# Altium PCB (Poly)TC364_MainBoard_PCB.PcbDoc
Units mm, origin at the board's own origin, x right, y up, seen from the top; angles counter-clockwise.
Board outline 98 x 65 mm, 2 copper layers (Top Layer, Bottom Layer); 67 components, 70 nets, 319 pads, 24 vias.
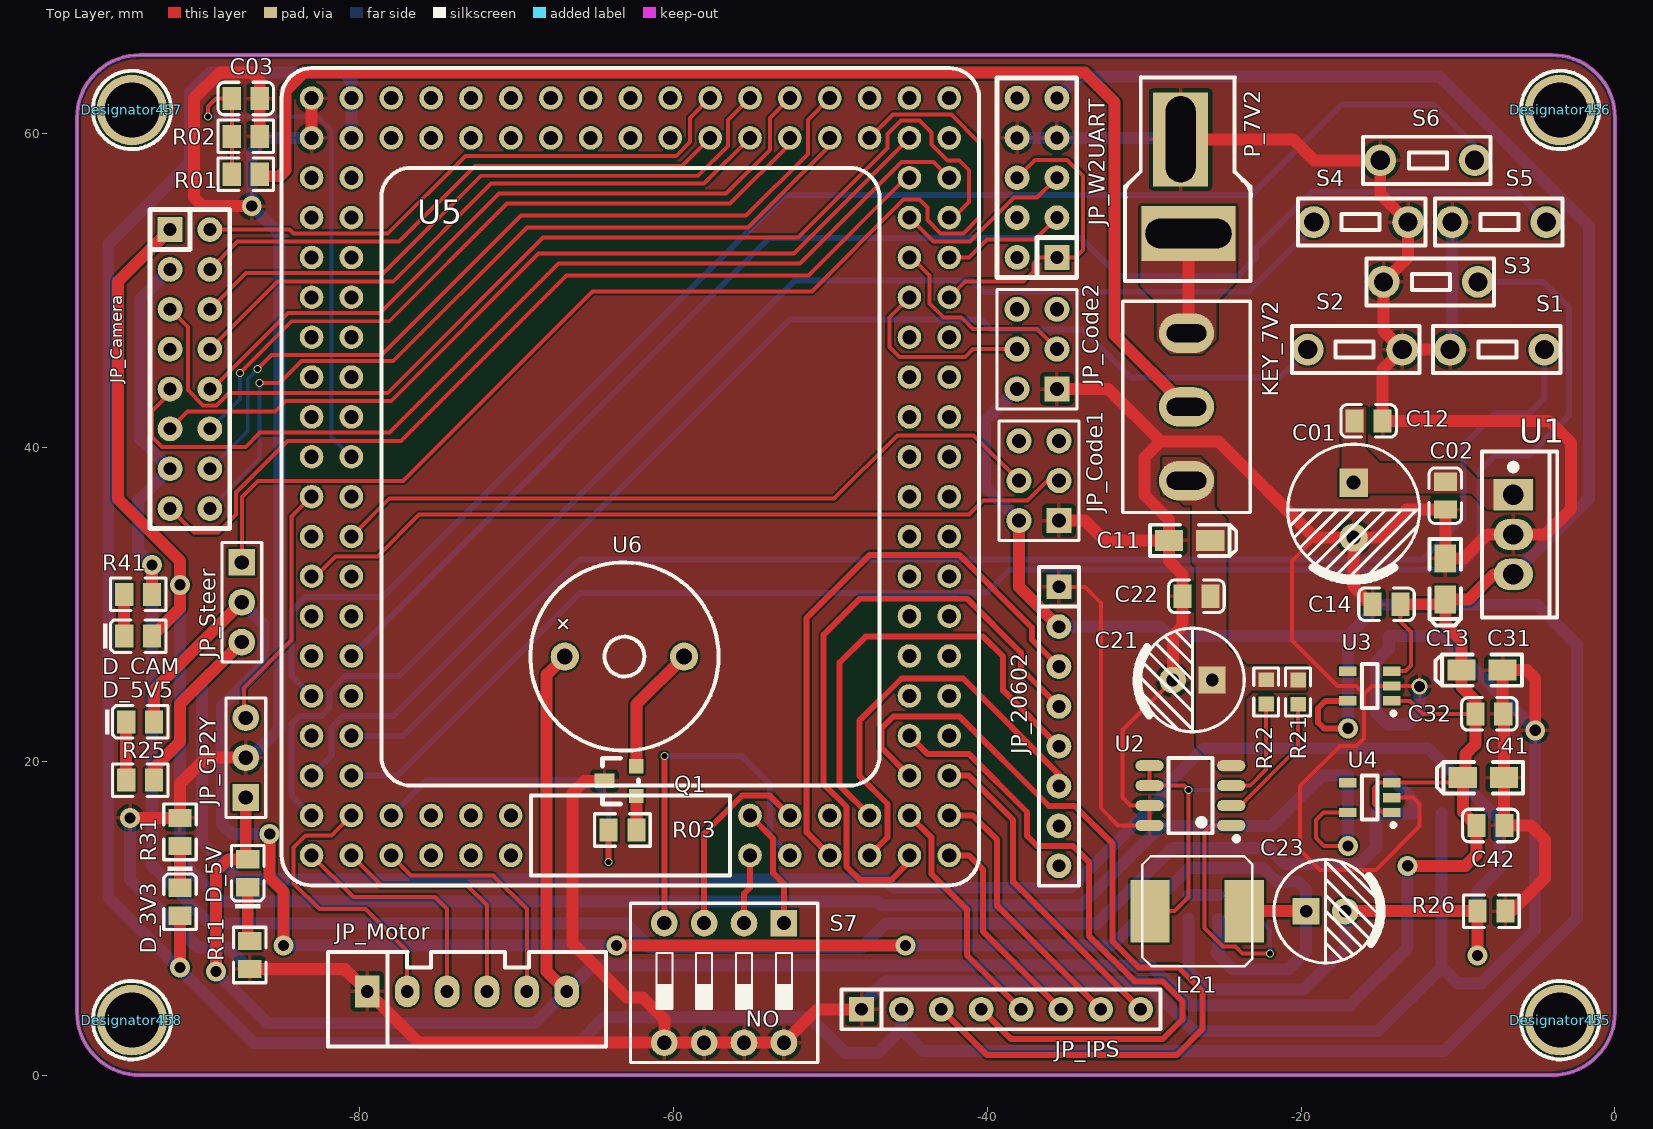
[diagram p0: Top Layer view]
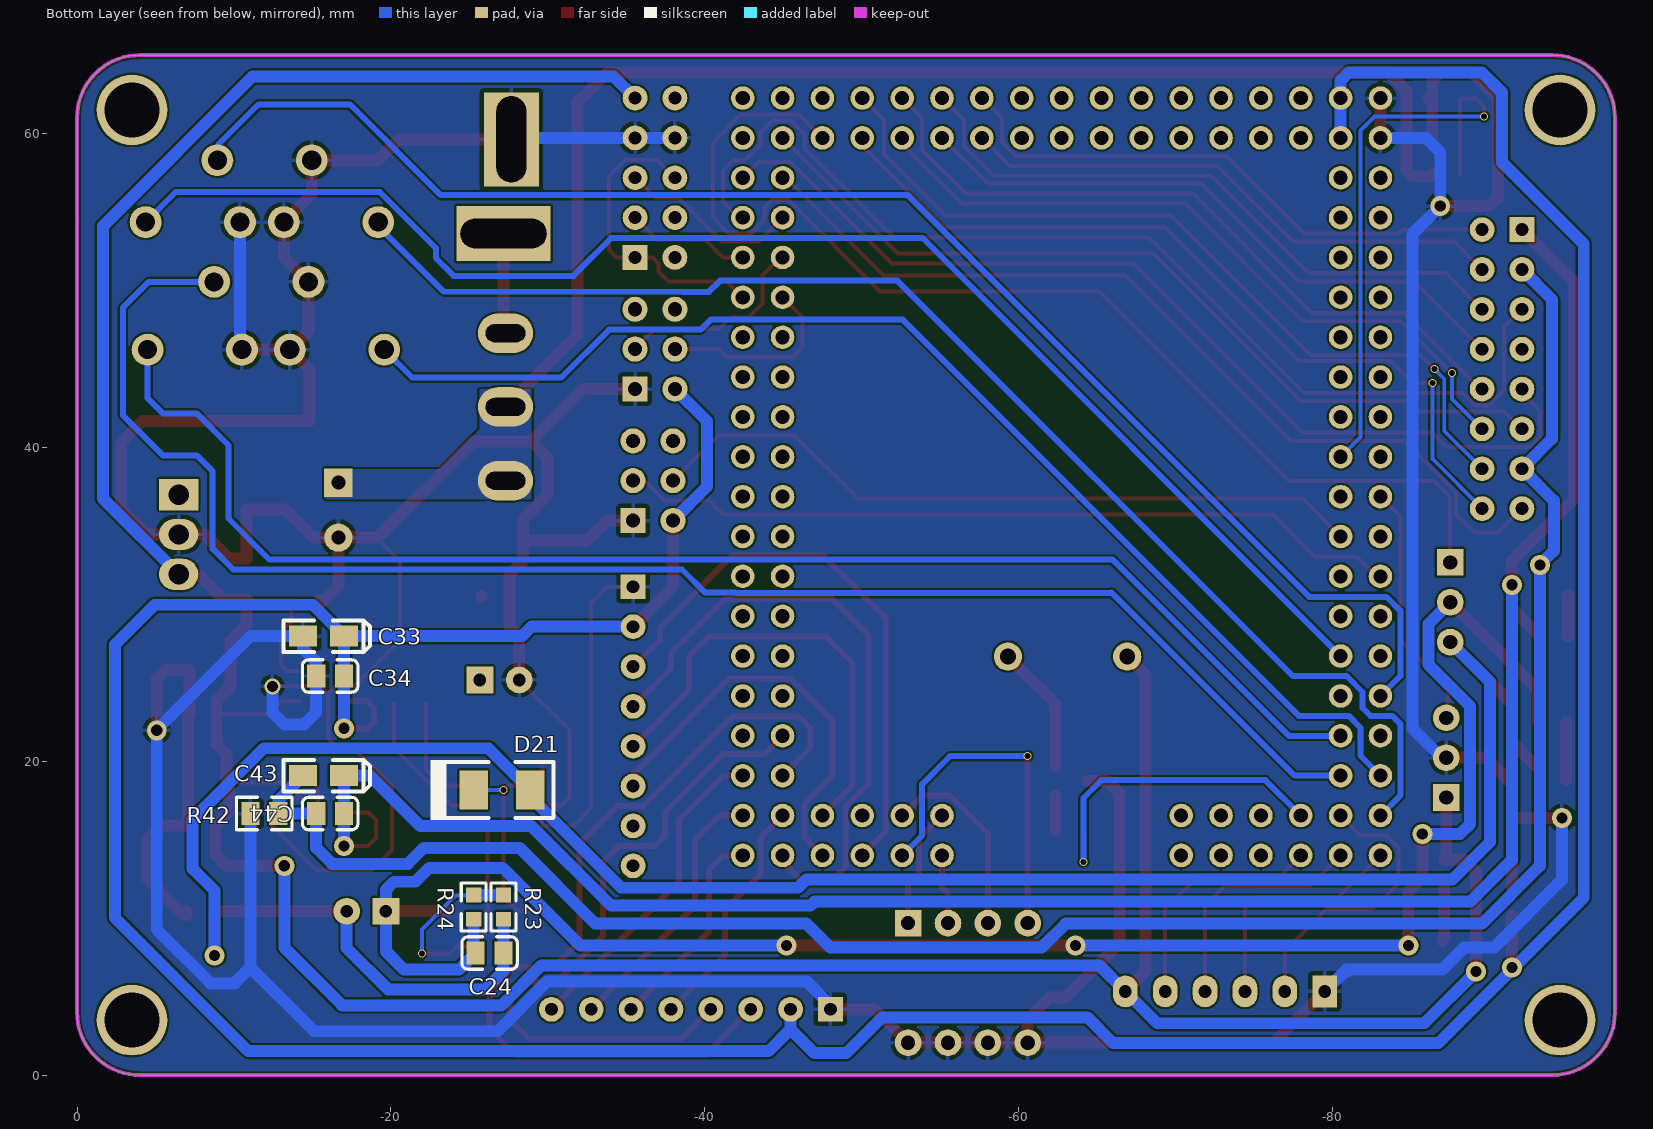
[diagram p1: Bottom Layer view, seen from below]

## Layer stack, top to bottom
Top Solder: solder mask 0.0102, Solder Resist, Dk 3.5
Top Layer: signal copper 0.0356
Dielectric 1: dielectric 0.32, FR-4, Dk 4.8
Bottom Layer: signal copper 0.0356
Bottom Solder: solder mask 0.0102, Solder Resist, Dk 3.5

## Board outline
-98,4 ccw(c-94,4) -94,0 -4,0 ccw(c-4,4) 0,4 0,61 ccw(c-4,61) -4,65 -94,65 ccw(c-94,61) -98,61

## Design rules (kind name [scope] priority, off if disabled: settings)
Clearance [All] p1: gap=0.127 ignorepadtopadclearanceinfootprint=FALSE
HoleSize [All] p1: absolutevalues=TRUE maxlimit=7.62 minlimit=0.025 maxpercent=80.000 minpercent=20.000
MinimumSolderMaskSliver [All] p1: minsoldermaskwidth=0.127
PolygonConnect [All] p1: connectstyle=Relief reliefconductorwidth=0.254 reliefentries=4 polygonreliefangle="90 Angle" airgapwidth=0.254
RoutingVias [All] p1: holewidth=0.711 width=1.27 viastyle="Through Hole" minholewidth=0.711 minwidth=1.27 maxholewidth=0.711 maxwidth=1.27
SilkToSilkClearance [All] p1 off: silktosilkclearance=0.254
SilkToSolderMaskClearance [IsPad] p1 off: minsilkscreentomaskgap=0.254 clearancetoexposedcopper=TRUE
SolderMaskExpansion [All] p1: expansion=0.102
Width [All] p1: maxlimit=0.762 minlimit=0.254 preferedwidth=0.254
26 further rules are at their usual default settings.

## Classes and differential pairs
component class TC364_MainBoard_Power_V1.1: C01 C02 C11 C12 C13 C14 C21 C22 C23 C24 C31 C32 C33 C34 C41 C42 C43 C44 D_3V3 D_5V D_5V5 D_CAM KEY_7V2 L21 P_7V2 R11 R21 R22 R23 R24 R25 R26 R31 R41 R42 U1 U2 U3 U4
component class TC364_MainBoard_Singal_V1.1: C03 JP_20602 JP_Camera JP_Code1 JP_Code2 JP_GP2Y JP_IPS JP_Motor JP_Steer JP_W2UART Q1 R01 R02 R03 S2 S3 S4 S5 S6 S7 U6

## Components (designator, comment, footprint, x,y, rotation, side; value= is the part's Value field where it differs from the comment)
C01 "680uF/16V" "CAP 3.5*8*11.5 - GD" -12.951,23.102 r90 top
C02 "0.1uF" 0805_C -10.682,36.861 r270 top
C03 "0.1uF" 0805_C -87.184,62.357 r0 top
C11 "10uF/16V" CASE-A_3216 -27.105,34.067 r0 top
C12 "0.1uF" 0805_C -15.635,41.814 r0 top
C13 "10uF/16V" CASE-A_3216 -10.809,31.614 r270 top
C14 "0.1uF" 0805_C -14.619,29.876 r180 top
C21 "330uF/16V" "CAP 2.5*6.3*11.2 - BK" -26.924,25.177 r180 top
C22 "0.1uF" 0805_C -26.735,30.384 r180 top
C23 "330uF/16V" "CAP 2.5*6.3*11.2 - BK" -18.435,10.445 r0 top
C24 "0.1uF" 0805_C -26.354,7.905 r180 bottom
C31 "10uF/16V" CASE-A_3216 -8.469,25.812 r180 top
C32 "0.1uF" 0805_C -7.938,23.145 r0 top
C33 "10uF/16V" CASE-A_3216 -15.708,27.971 r180 bottom
C34 "0.1uF" 0805_C -16.064,25.304 r0 bottom
C41 "10uF/16V" CASE-A_3216 -8.382,18.954 r180 top
C42 "0.1uF" 0805_C -7.874,16.033 r0 top
C43 "10uF/16V" CASE-A_3216 -15.708,19.081 r180 bottom
C44 "0.1uF" 0805_C -16.064,16.541 r0 bottom
D21 "SS54" SMA -28.873,18.161 r0 bottom
D_3V3 "LED" 0805_LED_S1 -91.44,11.048 r270 top
D_5V "LED" 0805_LED_S1 -87.122,12.859 r90 top
D_5V5 "LED" 0805_LED_S1 -93.98,22.51 r0 top
D_CAM "LED" 0805_LED_S1 -94.108,27.971 r0 top
Designator455 "Comment" HOLE-3.5 -3.5,3.5 r0 top
Designator456 "Comment" HOLE-3.5 -3.5,61.5 r0 top
Designator457 "Comment" HOLE-3.5 -94.5,61.5 r0 top
Designator458 "Comment" HOLE-3.5 -94.5,3.5 r0 top
JP_20602 "HDR-1X7" SIP8 -35.433,31.115 r270 top
JP_Camera "HEADER 8X2" "IDC16-JLC - duplicate" -92.075,53.879 r270 top
JP_Code1 "Header3X2" HDR2.54-LI-2x3P -36.703,37.877 r90 top
JP_Code2 "Header3X2" HDR2.54-LI-2x3P -36.83,46.259 r90 top
JP_GP2Y "HDR-1X3" HDR2.54-LI-3P -87.249,20.224 r90 top
JP_IPS "HDR-1X7" SIP8 -48.006,4.191 r0 top
JP_Motor "HDR-1X6" SIP6N -79.502,5.334 r0 top
JP_Steer "HDR-1X3" HDR2.54-LI-3P -87.503,30.13 r270 top
JP_W2UART "HEADER 5X2" IDC10-JLC -35.56,52.101 r90 top
KEY_7V2 "SS-12F23" KEY_7V2 -27.305,42.576 r270 top
L21 "33uH" "7*7 L" -29.622,10.445 r0 top
P_7V2 "T_Type_Adapter" T_Type_Adapter -27.627,58.38 r270 top
Q1 "PNP8550" PNP8550-SO -62.357,17.78 r90 top
R01 "200K" 0805_R#1 -89.279,59.438 r180 top
R02 "100K" 0805_R#1 -85.217,57.783 r0 top
R03 "1K" 0805_R#2 -63.246,15.621 r0 top
R11 "4.7K" 0805_R#1 -84.961,9.683 r90 top
R21 "1K" 0603_R -20.193,24.407 r90 top
R22 "2.7K" 0603_R -22.225,24.415 r90 top
R23 "3.9K" 0603_R -27.178,10.707 r270 bottom
R24 "22K" 0603_R -25.273,10.707 r90 bottom
R25 "4.7K" 0805_R#1 -96.01,20.83 r180 top
R26 "0" 0805_R#1 -9.904,12.479 r180 top
R31 "4.7K" 0805_R#1 -93.474,13.462 r270 top
R41 "4.7K" 0805_R#1 -96.139,32.672 r180 top
R42 "0" 0805_R#1 -13.968,14.634 r180 bottom
S1 "SW-PB" KEY2-6X3 -4.494,46.228 r180 top
S2 "SW-PB" KEY2-6X3 -19.574,46.228 r0 top
S3 "SW-PB" KEY2-6X3 -8.732,50.546 r180 top
S4 "SW-PB" KEY2-6X3 -19.193,54.356 r0 top
S5 "SW-PB" KEY2-6X3 -4.367,54.356 r180 top
S6 "SW-PB" KEY2-6X3 -8.939,58.293 r180 top
S7 "SW-4P" "CSW DIP-4P" -56.769,5.873 r180 top
U1 "SPX2940-5.0V" TO-220(TO-220-3) -6.477,34.448 r270 top
U2 "AS1015" SOP-8_150mil -27.051,17.811 r90 top
U3 "RT9013-3.3" SOT-23-5 -15.621,24.796 r0 top
U4 "RT9013-3.3" SOT-23-5 -15.621,17.684 r0 top
U5 "TC364_CoreBoard" TC364_CoreBoard -83.058,62.261 r0 top
U6 "BEEP" BUZ -63.119,26.67 r0 top

## Footprints (in the part's own frame and the unit in brackets; to place one, negate y for a bottom-side part, rotate by r counter-clockwise, add the part's x,y. Pads: shape width x height; smd on the part's side, far side on the other; paste and mask are expansions set on the pad)
"7*7 L" [mm]
  rect 2.5x4 smd: 1(0,0) 2(6,0)
  silkscreen extent -0.5,-3.5 6.5,3.5
0603_R [mm]
  rect 0.93x0.98 smd: 1(-0.77,0) 2(0.77,0)
  silkscreen extent -1.53,-0.79 1.54,0.79, body extent -0.85,-0.4 0.85,0.4, height 0.56
0805_C [mm]
  rect 1.16x1.47 smd: 1(-0.954,-0.127) 2(0.826,-0.127)
  silkscreen extent -1.83,-1.16 1.71,0.91, body extent -1.06,-0.75 0.94,0.5, height 0.77
0805_LED_S1 [mm]
  rect 1.16x1.47 smd: A(0.89,0) K(-0.89,0)
  silkscreen extent -2.25,-1.04 1.77,1.03, body extent -1.01,-0.62 1.01,0.62, height 1.1
0805_R#1 [mm]
  rect 1.16x1.47 smd: 1(-1.141,2.034) 2(-2.921,2.034)
  silkscreen extent -3.8,1 -0.26,3.07, body extent -3.03,1.41 -1.03,2.66, height 0.49
0805_R#2 [mm]
  rect 1.16x1.47 smd: 1(-0.89,0) 2(0.89,0)
  silkscreen extent -1.77,-1.04 1.77,1.03, body extent -1,-0.62 1,0.63, height 0.49
BUZ [mm]
  round 1.8 hole 1: 1(-3.8,0) 2(3.8,0)
  silkscreen extent -6,-6 6,6
"CAP 2.5*6.3*11.2 - BK" [mm] "脚距2.5mm直径6.3mm高度11.2mm             淘宝ID:黄晶宝石"
  rect 1.7x1.7 hole 0.8: 1(-1.25,0)
  round 1.7 hole 0.8: 2(1.25,0)
  silkscreen extent -3.3,-3.3 3.56,3.3, body extent -3.15,-3.15 3.16,3.15, height 11.24
"CAP 3.5*8*11.5 - GD" [mm]
  rect 1.8x1.8 hole 0.9: 1(14.648,3.7)
  round 1.8 hole 0.9: 2(11.148,3.7)
  silkscreen extent 8.4,-0.5 17.09,7.9, body extent 8.89,-0.3 16.9,7.7, height 11.54
CASE-A_3216 [mm]
  rect 1.8x1.35 smd: 1(1.31,0) 2(-1.31,0)
  silkscreen extent -2.54,-1 2.97,1, body extent -1.7,-0.84 1.7,0.84, height 1.71
"CSW DIP-4P" [mm] "11.7*9.9*7mm"
  rect 1.7x1.7 hole 0.9: 1(-3.81,-3.81)
  round 1.7 hole 0.9: 2(-1.27,-3.81) 3(1.27,-3.81) 4(3.81,-3.81) 5(3.81,3.81) 6(1.27,3.81) 7(-1.27,3.81) 8(-3.81,3.81)
  silkscreen extent -5.97,-5.08 5.97,5.08, body extent -5.86,-4.95 5.86,4.95, height 6.65
HDR2.54-LI-2x3P [mm] "封装库来自淘宝卖家 ID：黄晶宝石"
  rect 1.6x1.6 hole 0.9: 1(-2.54,-1.27)
  round 1.6 hole 0.9: 2(-2.54,1.27) 3(0,-1.27) 4(0,1.27) 5(2.54,-1.27) 6(2.54,1.27)
  silkscreen extent -3.81,-2.54 3.81,2.54, body extent -3.81,-2.54 3.81,2.54, height 8.5
HDR2.54-LI-3P [mm] "排针，3脚"
  rect 1.7x1.7 hole 0.9: 1(-2.54,0)
  round 1.7 hole 0.9: 2(0,0) 3(2.54,0)
  silkscreen extent -3.81,-1.27 3.81,1.27, body extent -3.81,-1.27 3.81,1.27, height 8.5
HOLE-3.5 [mm]
  round 4.5 hole 3.5: 0(0,0)
  silkscreen extent -2.5,-2.5 2.5,2.5
IDC10-JLC [mil]
  rect 62x62 hole 32: 1(0,0)
  round 62 hole 32: 2(0,100) 3(100,0) 4(100,100) 5(200,0) 6(200,100) 7(300,0) 8(300,100) 9(400,0) 10(400,100)
  silkscreen extent -50,-50 450,150, body extent -53,-45 447,155, height 315
"IDC16-JLC - duplicate" [mil]
  rect 62x62 hole 32: 1(0,0)
  round 62 hole 32: 2(0,100) 3(100,0) 4(100,100) 5(200,0) 6(200,100) 7(300,0) 8(300,100) 9(400,0) 10(400,100) 11(500,0) 12(500,100) 13(600,0) 14(600,100) 15(700,0) 16(700,100)
  silkscreen extent -50,-50 750,150, body extent -50,-51 750,149, height 142
KEY2-6X3 [mil]
  round 80 hole 48: 1(0,0) 2(236.85,0)
  silkscreen extent -40,-59 280,59, body extent -37,-68 271,70, height 170
KEY_7V2 [mil]
  oval 99x138 hole 45 slot 100 at 90 deg: 1(-185.04,0) 2(0,0) 3(185.04,0)
  silkscreen extent -265,-160 265,160
PNP8550-SO [mil]
  rect 36x36 smd: 1(0,0) 2(75,0)
  rect 36x50 smd: 3(38,80)
  silkscreen extent -20,-5 95,85, body extent -21,-8 97,90, height 42
SIP6N [mil]
  rect 62x80 hole 32: 1(0,0)
  oval 62x80 hole 32: 2(100,0) 3(200,0) 4(300,0) 5(400,0) 6(500,0)
  silkscreen extent -98,-138 598,98, body extent -99,-129 597,95, height 277
SIP8 [mil]
  rect 62x62 hole 32: 1(0,0)
  round 62 hole 32: 2(100,0) 3(200,0) 4(300,0) 5(400,0) 6(500,0) 7(600,0) 8(700,0)
  silkscreen extent -50,-50 750,50, body extent -50,-50 750,50, height 335
SMA [mm]
  rect 1.8x2.5 smd: 1(0,0) 2(3.6,0)
  silkscreen extent -1.47,-1.9 6.35,1.91
SOP-8_150mil [mm]
  oval 0.7x1.8 smd: 1(-1.905,-2.6) 2(-0.635,-2.6) 3(0.635,-2.6) 4(1.905,-2.6) 5(1.905,2.6) 6(0.635,2.6) 7(-0.635,2.6) 8(-1.905,2.6)
  silkscreen extent -2.9,-3.08 2.4,1.4, body extent -2.5,-3.1 2.5,3.1, height 1.75
SOT-23-5 [mm]
  rect 1.1x0.6 smd: 1(1.4,-0.95) 2(1.4,0) 3(1.4,0.95) 4(-1.4,0.95) 5(-1.4,-0.95)
  silkscreen extent -0.5,-1.87 1.63,1.4
T_Type_Adapter [mm]
  rect 6x3.5 hole 1.905 slot 5.49 at 0 deg: 1(-1.245,-0.051)
  rect 3.5x6 hole 1.905 slot 5.49 at 90 deg: 2(4.755,0.449)
  silkscreen extent -5.21,-3.61 7.77,4.42
TC364_CoreBoard [mm] "逐飞科技TC364核心板"
  round 1.5 hole 0.9: 1(0,0) 2(2.54,0) 3(0,-2.54) 4(2.54,-2.54) 5(0,-5.08) 6(2.54,-5.08) 7(0,-7.62) 8(2.54,-7.62) 9(0,-10.16) 10(2.54,-10.16) 11(0,-12.7) 12(2.54,-12.7) 13(0,-15.24) 14(2.54,-15.24) 15(0,-17.78) 16(2.54,-17.78) 17(0,-20.32) 18(2.54,-20.32) 19(0,-22.86) 20(2.54,-22.86) 21(0,-25.4) 22(2.54,-25.4) 23(0,-27.94) 24(2.54,-27.94) 25(0,-30.48) 26(2.54,-30.48) 27(0,-33.02) 28(2.54,-33.02) 29(0,-35.56) 30(2.54,-35.56) 31(0,-38.1) 32(2.54,-38.1) 33(0,-40.64) 34(2.54,-40.64) 35(0,-43.18) 36(2.54,-43.18) 37(0,-45.72) 38(2.54,-45.72) 39(0,-48.26) 40(2.54,-48.26) 41(5.08,-48.26) 42(5.08,-45.72) 43(7.62,-48.26) 44(7.62,-45.72) 45(10.16,-48.26) 46(10.16,-45.72) 47(12.7,-48.26) 48(12.7,-45.72) 49(27.94,-45.72) 50(27.94,-48.26) 51(30.48,-45.72) 52(30.48,-48.26) 53(33.02,-45.72) 54(33.02,-48.26) 55(35.56,-45.72) 56(35.56,-48.26) 57(38.1,-48.26) 58(40.64,-48.26) 59(38.1,-45.72) 60(40.64,-45.72) 61(38.1,-43.18) 62(40.64,-43.18) 63(38.1,-40.64) 64(40.64,-40.64) 65(38.1,-38.1) 66(40.64,-38.1) 67(38.1,-35.56) 68(40.64,-35.56) 69(38.1,-33.02) 70(40.64,-33.02) 71(38.1,-30.48) 72(40.64,-30.48) 73(38.1,-27.94) 74(40.64,-27.94) 75(38.1,-25.4) 76(40.64,-25.4) 77(38.1,-22.86) 78(40.64,-22.86) 79(38.1,-20.32) 80(40.64,-20.32) 81(38.1,-17.78) 82(40.64,-17.78) 83(38.1,-15.24) 84(40.64,-15.24) 85(38.1,-12.7) 86(40.64,-12.7) 87(38.1,-10.16) 88(40.64,-10.16) 89(38.1,-7.62) 90(40.64,-7.62) 91(38.1,-5.08) 92(40.64,-5.08) 93(38.1,-2.54) 94(40.64,-2.54) 95(38.1,0) 96(40.64,0) 97(35.56,-2.54) 98(35.56,0) 99(33.02,-2.54) 100(33.02,0) 101(30.48,-2.54) 102(30.48,0) 103(27.94,-2.54) 104(27.94,0) 105(25.4,-2.54) 106(25.4,0) 107(22.86,-2.54) 108(22.86,0) 109(20.32,-2.54) 110(20.32,0) 111(17.78,-2.54) 112(17.78,0) 113(15.24,-2.54) 114(15.24,0) 115(12.7,-2.54) 116(12.7,0) 117(10.16,-2.54) 118(10.16,0) 119(7.62,-2.54) 120(7.62,0) 121(5.08,-2.54) 122(5.08,0)
  silkscreen extent -1.91,-50.17 42.55,1.91
TO-220(TO-220-3) [mm]
  rect 2x2.5 hole 1.3: 1(-2.54,0)
  oval 2x2.5 hole 1.3: 2(0,0) 3(2.54,0)
  silkscreen extent -5.3,-2 5.3,2.8, body extent -5.08,-1.45 5.08,2.9, height 19.6

## Part data
C01 C11 C13 C21 C23 C31 C33 C41 C43: library part "Cap Pol1", "Polarized Capacitor (Radial)", LatestRevisionDate=17-Jul-2002, LatestRevisionNote="Re-released for DXP Platform.", PackageDescription="Polarized Capacitor (Radial); 2 Leads", PackageReference=RB7.6-15, Published=8-Jun-2000, Publisher="Altium Limited"
C02 C03 C12 C14 C22 C24 C32 C34 C42 C44: library part CAP, "Capacitor"
D21: library part SS34, "肖特基二极管", BOM名称=肖特基二极管, 封装库来自淘宝 ID：黄晶宝石=https://shop463601444.taobao.com, 属性=40V/3A
D_3V3 D_5V D_5V5 D_CAM: "发光二极管"
JP_20602 JP_IPS: library part "HEADER 8", "8 Pin Header"
JP_Code1 JP_Code2: library part "Header 3X2", "3*2P接插件", BOM名称=3*2P接插件, 学习资源=https://shop463601444.taobao.com, 版权归属="封装库来自淘宝 ID：黄晶宝石"
JP_GP2Y JP_Steer: library part "Header 3", "3P接插件", BOM名称=3P接插件, 学习资源=https://shop463601444.taobao.com, 版权归属="封装库来自淘宝 ID：黄晶宝石"
JP_Motor: library part "HEADER 6"
KEY_7V2: library part SSW-1P, "1路波动开关", BOM名称=波动开关, 学习资源=www.ooocke.com, 版权归属="封装库来自淘宝 ID：黄晶宝石"
L21: library part L-CDRH, "功率屏蔽电感", BOM名称=功率屏蔽电感, 版权归属="封装库来自淘宝 ID：黄晶宝石", 联系售后=https://shop463601444.taobao.com
Q1: library part PNP, "PNP Transistor"
R01 R02 R03 R11 R25 R26 R31 R41 R42: library part RES
R21 R22 R23 R24: library part RES, "贴片电阻", BOM名称=贴片电阻, 学习资源=www.ooocke.com, 版权归属=源创客
S1 S2 S3 S4 S5 S6: "按键"
S7: "4路编码开关", BOM名称=4路编码开关, 学习资源=https://shop463601444.taobao.com, 淘宝ID="封装库来自淘宝 ID：黄晶宝石"
U1: library part LM2940, "5V稳压芯片", BOM名称=5V稳压芯片, 版权归属="封装库来自淘宝 ID：黄晶宝石", 联系售后=www.ooocke.com
U2: "可调升压芯片"
U5: library part TC264_CoreBoard, "逐飞科技TC264核心板"
U6: library part BELL, "Bell"

## Via types
v1: diameter 1.27, hole 0.711, Top Layer to Bottom Layer, 15 vias
v2: diameter 0.508, hole 0.381, Top Layer to Bottom Layer, 8 vias
v3: diameter 1.016, hole 0.711, Top Layer to Bottom Layer, 1 vias

## Nets (pads, with @x,y where several pads share a name; then routed paths per layer and width w, separated by ;. In a path a pad name is that pad's centre, name@x,y a point inside that pad or via, vN(x,y) a via of type N, cw(c..) or ccw(c..) an arc to the next point about the centre after c; other vN are vias at no path point)
00.0: JP_Camera.16 U5.99 | length 52.2
  Top Layer w0.254: -86.106,44.1 -85.09,44.1 -83.693,45.497 -77.851,45.497 -69.342,54.006 -55.245,54.006 -50.038,59.213 U5.99
  Bottom Layer w0.254: JP_Camera.16 -86.36,39.274 v2(-86.36,44.1)
00.1: JP_Camera.14 U5.100 | length 52.5
  Top Layer w0.254: v2(-86.487,44.989) -85.598,45.878 -78.613,45.878 -69.723,54.768 -55.372,54.768 -51.435,58.705 -51.435,60.864 U5.100
  Bottom Layer w0.254: JP_Camera.14 -87.122,41.052 -87.122,44.354 v2(-86.487,44.989)
00.2: JP_Camera.12 U5.101 | length 45.8
  Top Layer w0.254: v2(-87.63,44.735) -84.328,48.037 -78.105,48.037 -70.612,55.53 -56.388,55.53 -52.578,59.34 U5.101
  Bottom Layer w0.254: JP_Camera.12 -87.63,43.084 v2(-87.63,44.735)
00.3: JP_Camera.10 U5.102 | length 45.8
  Top Layer w0.254: JP_Camera.10 -89.408,43.719 -84.57,48.557 -78.752,48.557 -78.74,48.545 -71.12,56.165 -56.642,56.165 -53.848,58.959 -53.848,60.991 U5.102
00.4: JP_Camera.8 U5.103 | length 40
  Top Layer w0.254: JP_Camera.8 -85.217,50.577 -77.851,50.577 -71.628,56.8 -58.039,56.8 U5.103
00.5: JP_Camera.6 U5.104 | length 41
  Top Layer w0.254: JP_Camera.6 -87.237,51.097 -78.474,51.097 -72.263,57.308 -58.42,57.308 -56.515,59.213 -56.515,60.864 U5.104
00.6: JP_Camera.4 U5.105 | length 35.3
  Top Layer w0.254: JP_Camera.4 -87.769,53.105 -77.482,53.105 -72.644,57.943 -59.436,57.943 U5.105
00.7: JP_Camera.2 U5.106 | length 36.5
  Top Layer w0.254: JP_Camera.2 -84.455,53.879 -84.201,53.625 -78.201,53.625 -73.248,58.578 -59.817,58.578 -58.928,59.467 -58.928,60.991 U5.106
02.0: JP_Camera.5 U5.90 | length 69.3
  Top Layer w0.254: JP_Camera.5 -90.932,47.656 -90.932,43.643 -89.966,42.677 -89.104,42.677 -88.316,43.465 -78.201,43.465 -68.295,53.371 -52.07,53.371 -46.355,59.086 -46.355,59.975 -45.497,60.833 -44.323,60.833 -43.561,60.071 -43.561,59.309 -42.545,58.293 -41.783,58.293 -41.148,57.658 -41.148,55.626 -42.133,54.641 U5.90
02.1: JP_Camera.15 U5.91 | length 57.9
  Top Layer w0.254: JP_Camera.15 -90.551,34.575 -89.027,34.575 -87.884,35.718 -87.884,37.115 -84.582,40.417 -77.343,40.417 -66.802,50.958 -51.404,50.958 -45.181,57.181 U5.91
02.2: JP_Camera.9 U5.92 | length 62.5
  Top Layer w0.254: JP_Camera.9 -92.075,43.465 -93.218,42.322 -93.218,40.671 -92.583,40.036 -87.249,40.036 -86.36,40.925 -86.36,40.937 -78.093,40.937 -67.31,51.72 -51.943,51.72 -45.466,58.197 -43.434,58.197 U5.92
02.3: JP_Camera.11 U5.93 | length 54.8
  Top Layer w0.254: JP_Camera.11 -90.957,42.296 -85.369,42.296 -84.709,42.957 -77.978,42.957 -68.58,52.355 -52.324,52.355 U5.93
02.7: JP_Steer.1 U5.97 | length 73.9
  Top Layer w0.254: JP_Steer.1 -87.503,36.837 -86.475,37.865 -77.216,37.865 -65.139,49.942 -51.181,49.942 -45.339,55.784 -44.323,55.784 -43.815,55.276 -43.815,54.483 -42.969,53.637 -41.517,53.637 -40.513,54.641 -40.513,59.436 -42.291,61.214 -46.005,61.214 U5.97
10.1: JP_Code2.4 U5.85 | length 12.3
  Top Layer w0.254: U5.85 -46.228,48.291 -46.228,46.386 -45.593,45.751 -41.402,45.751 -40.894,46.259 JP_Code2.4
10.2: JP_W2UART.1 JP_W2UART.6 U5.86 | length 19.9
  Top Layer w0.254: U5.86 -41.402,50.577 -37.688,50.577 -37.059,51.206 -37.059,51.72 -36.678,52.101 JP_W2UART.1 -34.386,52.101 -33.909,52.578 -33.909,57.308 -34.925,58.324 -36.957,58.324 JP_W2UART.6
10.3: JP_Code2.3 U5.87 | length 12.9
  Top Layer w0.254: U5.87 -44.831,52.101 -43.688,50.958 -43.688,49.18 -42.799,48.291 -41.656,48.291 -40.894,47.529 -36.83,47.529 JP_Code2.3
10.5: JP_W2UART.3 U5.88 | length 7.9
  Top Layer w0.254: U5.88 -41.148,52.101 -40.005,53.244 -36.957,53.244 JP_W2UART.3
10.6: JP_W2UART.5 U5.89 | length 11.7
  Top Layer w0.254: U5.89 -43.434,53.117 -41.097,53.117 -38.303,55.911 -36.83,55.911 JP_W2UART.5
14.0: U5.67
14.1: U5.68
15.0: JP_IPS.6 U5.58 | length 13.5
  Top Layer w0.381: U5.58 -41.179,14.001 -40.259,13.081 -40.259,9.144 JP_IPS.6
15.1: JP_IPS.5 U5.59 | length 15.3
  Top Layer w0.381: U5.59 -43.561,15.144 -43.561,12.827 -41.275,10.541 -41.275,7.62 JP_IPS.5
15.2: JP_IPS.7 U5.60 | length 17.8
  Top Layer w0.381: U5.60@-42.006,16.129 U5.60 -40.925,16.541 -39.37,14.986 -39.37,10.795 JP_IPS.7
15.3: JP_IPS.3 U5.61 | length 56.4
  Top Layer w0.381: U5.61 -46.736,20.859 -46.736,22.098 -45.974,22.86 -41.783,22.86 -36.068,17.145 -34.417,17.145 -32.004,14.732 -32.004,8.509 -30.353,6.858 -27.813,6.858 -26.289,5.334 -26.289,2.921 -27.94,1.27 -40.005,1.27 JP_IPS.3
15.4: JP_IPS.8 U5.62 | length 20.7
  Top Layer w0.381: U5.62 -41.179,19.081 -38.354,16.256 -38.354,12.319 JP_IPS.8
15.5: JP_IPS.4 U5.63 | length 43.3
  Top Layer w0.381: U5.63 -43.784,20.447 -41.148,20.447 -37.465,16.764 -37.465,15.24 -36.83,14.605 -34.544,14.605 -33.528,13.589 -33.528,8.89 -30.607,5.969 -28.829,5.969 -27.559,4.699 -27.559,3.556 -28.829,2.286 -38.481,2.286 JP_IPS.4
15.8: U5.66
20.6: S7.1 U5.49 | length 7.8
  Top Layer w0.381: U5.49 -53.646,15.068 -53.646,12.879 -52.959,12.192 S7.1
20.7: S7.2 U5.50 | length 4.5
  Top Layer w0.381: S7.2 -55.499,11.557 -55.118,11.938 U5.50
20.8: S7.3 U5.51 | length 12.7
  Top Layer w0.381: S7.3 -58.039,15.398 -55.626,17.811 -53.848,17.811 U5.51
20.9: S7.4 U5.52 | length 23.2
  Top Layer w0.381: S7.4 v2(-60.579,20.32)
  Bottom Layer w0.381: v2(-60.579,20.32) -55.626,20.32 -53.848,18.542 -53.848,15.271 U5.52
20.11: JP_20602.3 U5.54 | length 36.9
  Top Layer w0.381: U5.54 -51.51,15.473 -51.51,29.135 -47.498,33.147 -41.783,33.147 -37.148,28.511 -37.148,27.749 JP_20602.3
20.12: JP_20602.5 U5.55 | length 29.3
  Top Layer w0.381: U5.55 -49.403,18.446 -49.403,26.289 -47.752,27.94 -40.259,27.94 -38.989,26.67 -38.989,24.511 JP_20602.5
20.13: JP_20602.6 U5.56 | length 26.9
  Top Layer w0.381: U5.56 -46.355,15.144 -46.355,17.272 -48.133,19.05 -48.133,22.606 -45.466,25.273 -41.529,25.273 -35.433,19.177 JP_20602.6
20.14: JP_20602.4 U5.57 | length 40
  Top Layer w0.381: U5.57 -44.958,13.589 -46.101,12.446 -48.133,12.446 -48.97,13.283 -48.97,17.093 -50.419,18.542 -50.419,28.067 -48.133,30.353 -41.275,30.353 -37.846,26.924 -37.846,25.908 JP_20602.4
21.2: JP_Motor.2 U5.38 | length 18.4
  Top Layer w0.254: U5.38 -81.788,15.271 -83.439,15.271 -84.201,14.509 -84.201,12.223 -82.55,10.572 -79.629,10.572 -76.962,7.905 JP_Motor.2
21.3: JP_Motor.3 U5.39 | length 15.3
  Top Layer w0.254: U5.39 -80.391,11.334 -75.184,11.334 -74.422,10.572 JP_Motor.3
21.4: JP_Motor.4 U5.40 | length 15.4
  Top Layer w0.254: U5.40 -78.613,12.096 -73.152,12.096 -71.882,10.826 JP_Motor.4
21.5: JP_Motor.5 U5.41 | length 15.3
  Top Layer w0.254: U5.41 -76.708,12.731 -71.501,12.731 -69.342,10.572 JP_Motor.5
21.6: R03.1 U5.42 | length 21.3
  Top Layer w0.381: R03.1 R03.1 v2(-64.135,13.589)
  Bottom Layer w0.381: U5.42 -75.723,18.796 -65.278,18.796 -64.135,17.653 v2(-64.135,13.589)
22.0: S1.1 U5.34 | length 90.8
  Bottom Layer w0.381: U5.34 -77.216,21.621 -65.988,32.848 -12.267,32.848 -9.652,35.464 -9.652,40.132 -7.62,42.164 -5.461,42.164 -4.494,43.131 S1.1
22.1: S2.1 U5.35 | length 78.9
  Bottom Layer w0.381: U5.35 -81.788,20.351 -81.788,22.129 -81.026,22.891 -77.851,22.891 -52.609,48.133 -40.386,48.133 -39.751,47.498 -33.909,47.498 -30.861,44.45 -21.352,44.45 S2.1 S2.1@-19.603,46.228
22.2: S3.1 U5.36 | length 103.4
  Bottom Layer w0.381: U5.36 -77.597,19.081 -65.913,30.765 -65.861,30.713 -41.976,30.713 -41.924,30.765 -40.005,30.765 -38.55,32.22 -9.944,32.22 -8.636,33.528 -8.636,38.481 -7.62,39.497 -5.461,39.497 -2.921,42.037 -2.921,48.895 -4.572,50.546 S3.1
22.3: S4.1 U5.37 | length 86.1
  Bottom Layer w0.381: U5.37 -84.328,17.811 -84.328,22.383 -83.82,22.891 -82.423,22.891 -81.915,23.399 -81.915,24.415 -80.899,25.431 -77.47,25.431 -52.272,50.628 -40.976,50.628 -40.259,49.911 -38.568,49.911 -38.563,49.916 -23.363,49.916 -19.193,54.086 S4.1 S4.1@-19.248,54.356
33.6: JP_Code1.4 U5.24 | length 46.4
  Top Layer w0.254: U5.24 -78.105,36.734 -49.753,36.734 -45.72,40.767 -40.863,40.767 JP_Code1.4
33.7: JP_Code1.3 U5.25 | length 50.2
  Top Layer w0.254: U5.25 -82.804,31.781 -81.534,33.051 -78.867,33.051 -76.2,35.718 -41.148,35.718 -40.259,36.607 -37.434,36.607 -36.164,37.877 JP_Code1.3
33.12: S5.1 U5.30 | length 91.6
  Bottom Layer w0.381: U5.30 -53.879,53.34 -34.036,53.34 -31.623,50.927 -24.003,50.927 -22.86,52.07 -22.86,52.705 -19.304,56.261 -6.272,56.261 S5.1
33.13: S6.1 U5.31 | length 96.7
  Bottom Layer w0.381: U5.31 -84.328,25.431 -84.328,29.591 -83.439,30.48 -78.517,30.48 -52.911,56.086 -52.901,56.076 -23.172,56.076 -17.399,61.849 -11.557,61.849 -9.017,59.309 -9.017,58.371 S6.1
A0: JP_GP2Y.3 U5.21 | length 15.9
  Top Layer w0.254: JP_GP2Y.3 -87.376,22.891 -87.376,24.669 -84.328,27.717 -84.328,35.591 U5.21
A1: C03.1 R01.1 R02.2 U5.20 | length 36.8
  Top Layer w0.254: v2(-89.662,61.087) -89.662,61.722 -89.154,62.23 C03.1 R02.2 R01.1
  Bottom Layer w0.254: v2(-89.662,61.087) -82.677,61.087 -81.788,60.198 -81.788,40.671 U5.20
GND: C01.2 C02.2 C03.2 C11.2 C12.2 C13.2 C14.2 C21.2 C22.2 C31.2 C32.2 C33.2 C34.2 C41.2 C42.2 JP_20602.1 JP_Code1.1 JP_Code2.1 JP_GP2Y.2 JP_IPS.1 JP_Motor.1 JP_W2UART.7 JP_W2UART.8 P_7V2.1 Q1.3 R02.1 R11.2 R26.2 R31.2 R42.2 S1.2 S2.2 S3.2 S4.2 S5.2 S6.2 S7.5 S7.6 S7.7 S7.8 U1.2 U2.7 U2.8 U3.2 U4.2 U5.1 U5.3 | length 495.6
  Top Layer w0.254: JP_20602.1 -33.782,31.115 -32.766,30.099 -32.766,17.018 -31.654,15.906 U2.8 U2.7 -30.861,17.176 -31.369,17.684 -31.369,21.982 C21.2 ; -19.05,34.29 -20.574,32.766 -20.574,27.686 -17.684,24.796 -16.51,24.796 -16.002,24.288 ; U4.2 -12.858,17.684 -12.446,17.272 -12.446,15.875 -15.24,13.081 -18.796,13.081 -20.066,14.351 -20.066,18.415 -17.526,20.955 -16.51,20.955 -16.002,21.463 -16.002,24.288 ; v3@-12.223,24.796 U3.2 -15.494,24.796 -16.002,24.288
  Top Layer w0.762: v1(-94.615,16.383) R31.2 -91.44,18.573 -89.789,20.224 JP_GP2Y.2 ; R11.2 -80.93,6.762 JP_Motor.1 -76.231,2.063 S7.5 ; v1(-86.868,55.372) -89.978,55.372 -90.551,55.945 -90.551,62.23 -88.9,63.881 -86.868,63.881 -86.358,63.371 C03.2 C03.2@-86.358,62.007 ; R02.1 C03.2@-86.358,62.007 ; C03.2@-86.104,62.261 C03.2@-86.358,62.007 ; U5.3 U5.1 ; Q1.3 -65.659,18.745 -66.421,17.983 -66.421,8.382 -62.992,4.953 -61.976,4.953 -60.579,3.556 S7.5 ; JP_IPS.1 -50.831,4.191 S7.8 S7.7 S7.6 S7.5 ; JP_Code2.1 -32.289,43.719 -28.956,40.386 ; JP_Code1.1 -33.782,35.337 -32.512,34.067 C11.2 ; C21.2 -28.174,27.991 -27.561,28.604 C22.2 -27.561,31.91 -28.415,32.764 C11.2 ; P_7V2.1 -20.509,59.625 -19.177,58.293 S6.2 -14.955,56.134 S4.2 -13.177,52.117 S3.2 -14.748,47.418 S2.2 ; C14.2 -15.445,30.256 -15.778,30.256 -16.651,31.129 C01.2 ; S1.2 S2.2 ; C42.2@-7.072,15.93 C41.2 -7.072,22.978 C32.2 -7.159,23.065 C31.2 -5.619,25.812 -5.08,25.273 v1(-5.08,21.971) ; C42.2 -5.365,15.906 -4.445,14.986 -4.445,12.573 -6.827,10.191 -6.983,10.191 R26.2 ; -28.956,40.386 -29.972,39.37 -29.972,36.957 -28.415,35.4 C11.2 ; -28.956,40.386 -25.273,40.386 -19.177,34.29 -19.05,34.29 -19.01,34.25 C01.2 ; C01.2 -15.057,34.25 -13.272,36.034 C02.2 C13.2 -9.652,32.924 -8.128,34.448 U1.2 -4.445,34.448 -2.794,36.099 -2.794,40.29 -4.191,41.687 C12.2 -14.809,44.978 S2.2
  Bottom Layer w0.762: v1(-94.615,16.383) -94.615,12.446 -90.297,8.128 -88.392,8.128 -86.995,6.731 -81.026,6.731 -80.899,6.604 -80.899,6.731 JP_Motor.1 ; JP_GP2Y.2 -86.964,20.224 -85.09,22.098 -85.09,53.594 v1(-86.868,55.372) -86.868,58.801 -85.948,59.721 U5.3 ; JP_IPS.1 -48.006,4.445 -46.482,5.969 -29.972,5.969 -26.797,2.794 -15.111,2.794 -11.047,6.858 ; JP_W2UART.8 JP_W2UART.7 -27.774,59.721 P_7V2.1 ; v3(-12.446,24.765) -12.446,23.114 -13.208,22.352 -14.478,22.352 -15.238,23.112 C34.2 -15.238,26.322 -14.398,27.162 C33.2 -11.049,27.971 -5.08,22.002 v1(-5.08,21.971) -5.08,9.271 -8.509,5.842 -10.031,5.842 -11.047,6.858 ; R42.2 -11.047,6.858 ; S1.2 -10.383,46.355 S5.2
GNDCAM: C43.2 C44.2 JP_Camera.3 JP_Camera.13 R41.2 R42.1 | length 133.9
  Top Layer w0.762: R41.2 v1(-93.218,32.512)
  Bottom Layer w0.762: JP_Camera.3 -93.98,49.434 -93.98,40.544 JP_Camera.13 -94.107,36.607 -94.107,33.401 v1(-93.218,32.512) -93.218,13.335 -89.535,9.652 -62.992,9.652 -61.468,8.128 -48.006,8.128 -46.482,9.652 -33.02,9.652 -28.194,14.478 -22.098,14.478 -21.082,13.462 -16.256,13.462 -15.238,14.48 C44.2 R42.1 -12.827,17.51 C43.2
GNDSteer: C23.2 C24.2 D21.1 JP_Steer.3 R23.2 R25.2 R26.1 | length 151
  Top Layer w0.762: -93.089,19.589 -91.44,21.238 -91.44,23.653 JP_Steer.3 ; C23.2 R26.1 v1(-8.763,7.62)
  Bottom Layer w0.762: JP_Steer.3 -90.043,25.05 -90.043,14.859 -87.661,12.477 -46.482,12.477 -45.943,11.938 -34.671,11.938 -28.873,17.736 D21.1 -26.206,20.828 -11.907,20.828 -7.366,16.287 -7.366,13.146 -8.763,11.749 v1(-8.763,7.62) ; R23.2 -27.18,9.935 C24.2 -27.18,6.637 -26.004,5.461 -19.812,5.461 -17.185,8.088 C23.2@-17.185,9.977
NetD21_2: D21.2 L21.1 U2.5 U2.6 | length 15.4
  Top Layer w0.254: U2.5 U2.6 -27.463,18.446 v2(-27.178,18.161) -27.178,11.334 -28.067,10.445 L21.1
  Bottom Layer w0.254: v2(-27.178,18.161) D21.2
NetD_3V3_K: D_3V3.K R31.1 | length 2.5
  Top Layer w0.762: D_3V3.K R31.1@-91.44,14.476
NetD_5V5_K: D_5V5.K R25.1 | length 3.7
  Top Layer w0.762: D_5V5.K R25.1 R25.1
NetD_5V_K: D_5V.K R11.1 | length 3.5
  Top Layer w0.762: D_5V.K -87.122,8.669 R11.1
NetD_CAM_K: D_CAM.K R41.1 | length 2.7
  Top Layer w0.762: D_CAM.K R41.1
NetKEY_7V2_1: KEY_7V2.1 P_7V2.2 | length 6.4
  Top Layer w0.762: KEY_7V2.1 -27.178,47.403 P_7V2.2
NetQ1_1: Q1.1 R03.2 | length 2.2
  Top Layer w0.762: R03.2 Q1.1
NetQ1_2: Q1.2 U6.2 | length 8.2
  Top Layer w0.762: Q1.2 -62.357,23.632 U6.2
NetR21_1: R21.1 U2.2 | length 8.6
  Top Layer w0.254: U2.2 -23.876,17.176 -20.193,20.859 R21.1
NetR22_1: R22.1 U2.3 | length 6.8
  Top Layer w0.254: U2.3 -23.241,18.446 -22.225,19.462 R22.1
NetR23_1: R23.1 R24.2 U2.1 | length 20.8
  Top Layer w0.254: U2.1 -25.75,15.906 -26.162,15.494 -26.162,9.376 -24.977,8.191 -24.193,8.191 -23.749,7.747 v2(-21.971,7.747)
  Bottom Layer w0.254: R24.2 -25.273,11.684 -25.019,11.43 -24.13,11.43 -21.971,9.271 v2(-21.971,7.747)
  Bottom Layer w0.762: R23.1 R24.2
VCC3V3: C33.1 C34.1 D_3V3.A JP_20602.2 JP_Code1.2 JP_Code2.2 JP_IPS.2 U3.5 U5.2 U5.4 | length 258
  Top Layer w0.381: U3.5 -18.445,23.846 -18.923,23.368 -18.923,22.479 -18.542,22.098 v1(-17.018,22.098)
  Top Layer w0.762: v1(-91.44,6.858) D_3V3.A ; JP_Code1.2 -37.973,31.115 JP_20602.2
  Bottom Layer w0.254: JP_Code2.2@-38.196,43.719 JP_Code2.2
  Bottom Layer w0.762: U5.4 U5.2 -80.518,63.373 -81.045,63.9 -83.737,63.9 -83.756,63.881 -85.071,63.881 -85.09,63.9 -89.516,63.9 -90.805,62.611 -90.805,58.166 -96.012,52.959 -96.012,11.303 -86.741,2.032 -66.04,2.032 -64.389,3.683 -51.308,3.683 -49.022,1.397 -46.99,1.397 -45.466,2.921 ; JP_IPS.2 -45.466,2.921 ; JP_Code2.2 -40.132,41.687 -40.132,37.496 JP_Code1.2 ; JP_20602.2 -28.956,28.575 -28.352,27.971 C33.1 ; v1(-17.018,22.098) C34.1 C33.1 ; -45.466,2.921 -44.069,1.524 -10.922,1.524 -2.413,10.033 -2.413,27.432 -4.953,29.972 -15.017,29.972 C33.1
VCC5V: C13.1 C14.1 C31.1 C32.1 C41.1 C42.1 D_5V.A JP_GP2Y.1 JP_Motor.6 JP_W2UART.9 U1.3 U3.1 U3.3 U4.1 U4.3 U6.1 | length 234.2
  Top Layer w0.254: U4.1 -14.829,16.734 -15.367,17.272 -15.367,18.288 -15.021,18.634 U4.3 -9.845,18.634 -9.692,18.787 C41.1@-9.525,18.954 ; U3.1 -13.051,23.846 -12.223,23.018 C32.1 ; U3.3 -13.335,25.746 -12.989,26.092 -12.989,28.229 -13.665,28.905 C14.1
  Top Layer w0.762: v1(-89.154,6.604) -89.154,12.954 -88.359,13.749 D_5V.A -87.249,13.876 JP_GP2Y.1 ; U6.1 -68.072,25.517 -68.072,6.604 JP_Motor.6 ; C14.1 -11.11,30.003 C13.1 ; v1(-13.208,13.335) -9.525,13.335 -8.828,14.032 C42.1 -9.692,16.77 C41.1@-9.692,18.787 ; C41.1@-9.525,18.954 -9.525,20.447 -8.892,21.08 C32.1 -8.892,23.878 -9.779,24.765 C31.1 -9.779,27.686 -10.809,28.716 C13.1 ; U1.3 -7.716,31.908 -9.32,30.304 C13.1
  Bottom Layer w0.762: v1(-89.154,6.604) -85.852,3.302 -68.834,3.302 JP_Motor.6 -65.151,6.985 -29.591,6.985 -27.051,4.445 -16.891,4.445 -13.208,8.128 v1(-13.208,13.335) ; JP_W2UART.9 -34.194,63.627 -11.176,63.627 -1.651,54.102 -1.651,36.734 U1.3
VCC_5V: 
VCCBAT: C01.1 C02.1 C11.1 C12.1 C21.1 C22.1 KEY_7V2.2 KEY_7V2.3 R01.2 R21.2 R22.2 U1.1 U2.4 | length 82.8
  Top Layer w0.762: R01.2 -86.487,57.275 -85.092,57.275 -84.709,57.658 -84.709,62.738 -83.566,63.881 -33.782,63.881 -31.877,61.976 -31.877,47.148 KEY_7V2.2 ; C22.1@-25.795,30.525 C22.1
  Bottom Layer w0.762: C01.1@-16.777,37.876 C01.1
VCCCAM: C43.1 C44.1 D_CAM.A JP_Camera.1 U4.5 | length 136.3
  Top Layer w0.254: U4.5 -18.572,16.734 -19.05,16.256 -19.05,15.113 -18.542,14.605 v1(-17.018,14.605)
  Top Layer w0.762: D_CAM.A -91.44,29.749 v1(-91.44,31.242) -91.44,32.766 -95.377,36.703 -95.377,50.577 JP_Camera.1
  Bottom Layer w0.762: v1(-91.44,31.242) -91.44,13.716 -88.773,11.049 -46.99,11.049 -46.736,10.795 -34.036,10.795 -28.956,15.875 -21.875,15.875 -18.669,19.081 C43.1 C44.1 v1(-17.018,14.605)
VCCSteer: C23.1 C24.1 D_5V5.A JP_Steer.2 L21.2 R24.1 | length 121.3
  Top Layer w0.762: D_5V5.A -93.09,24.543 JP_Steer.2 ; v1(-85.725,15.367) -85.725,12.573 -84.836,11.684 v1(-84.836,8.255) ; v1(-63.627,8.255) v1(-45.212,8.255) ; L21.2 C23.1
  Bottom Layer w0.762: JP_Steer.2 -86.106,28.733 -86.106,26.162 -88.773,23.495 -88.773,16.002 -88.138,15.367 v1(-85.725,15.367) ; v1@-85.09,8.255 v1(-84.836,8.255) v1(-63.627,8.255) ; v1(-45.212,8.255) -32.073,8.255 -27.12,13.208 -22.448,13.208 -21.559,12.319 -20.193,12.319 -19.685,11.811 C23.1 -19.685,7.874 -20.828,6.731 -24.353,6.731 C24.1 -25.273,7.905 R24.1
pads on no net: Designator455.0 Designator456.0 Designator457.0 Designator458.0 JP_20602.7 JP_20602.8 JP_Camera.7 JP_Code1.5 JP_Code1.6 JP_Code2.5 JP_Code2.6 JP_W2UART.2 JP_W2UART.4 JP_W2UART.10 U3.4 U4.4 U5.5 U5.6 U5.7 U5.8 U5.9 U5.10 U5.11 U5.12 U5.13 U5.14 U5.15 U5.16 U5.17 U5.18 U5.19 U5.22 U5.23 U5.26 U5.27 U5.28 U5.29 U5.32 U5.33 U5.43 U5.44 U5.45 U5.46 U5.47 U5.48 U5.53 U5.64 U5.65 U5.69 U5.70 U5.71 U5.72 U5.73 U5.74 U5.75 U5.76 U5.77 U5.78 U5.79 U5.80 U5.81 U5.82 U5.83 U5.84 U5.94 U5.95 U5.96 U5.98 U5.107 U5.108 U5.109 U5.110 U5.111 U5.112 U5.113 U5.114 U5.115 U5.116 U5.117 U5.118 U5.119 U5.120 U5.121 U5.122

## Polygon pours and split planes (outlines as drawn)
GND on Top Layer "GND_L01_P032" (solid, remove dead copper, pour order 32): -104.775,-4.191 -103.632,-3.048 -103.632,69.596 5.08,69.596 4.953,69.469 4.953,-3.175
NetKEY_7V2_1 on Top Layer "NETKEY_7V2_1_L01_P006" (solid, remove dead copper, pour order 6): -24.13,55.372 -30.226,55.372 -30.226,50.292 -29.21,49.276 -29.21,46.863 -28.321,45.974 -26.289,45.974 -25.4,46.863 -25.4,49.276 -24.13,50.546
VCCBAT on Top Layer "VCCBAT_L01_P014" (solid, remove dead copper, pour order 14): -17.399,37.084 -9.144,37.084 -8.128,36.068 -5.207,36.068 -5.207,37.973 -8.763,37.973 -9.779,38.989 -15.748,38.989 -15.875,39.116 -15.875,42.545 -17.399,42.545
VCCBAT on Top Layer "VCCBAT_L01_P016" (solid, remove dead copper, pour order 16): -28.829,36.957 -28.067,36.957 -27.432,36.322 -26.924,36.322 -26.924,32.639 -26.67,32.385 -26.67,24.384 -24.765,24.384 -24.765,35.433 -25.527,36.195 -25.527,38.481 -26.416,39.37 -28.829,39.37
VCCBAT on Top Layer "VCCBAT_L01_P018" (solid, remove dead copper, pour order 18): -26.416,26.035 -19.685,26.035 -19.685,24.511 -26.543,24.511
VCCBAT on Top Layer "VCCBAT_L01_P020" (solid, remove dead copper, pour order 20): -23.241,25.781 -25.146,27.686 -25.146,25.654
VCCBAT on Top Layer "VCCBAT_L01_P022" (solid, remove dead copper, pour order 22): -26.535,24.604 -26.67,24.47 -26.67,20.955 -25.019,19.304 -23.876,19.304 -23.622,19.558 -23.622,24.003 -22.86,24.765
VCCBAT on Top Layer "VCCBAT_L01_P028" (solid, remove dead copper, pour order 28): -16.383,40.386 -14.605,38.608 -14.605,38.481 -16.256,38.481 -16.383,38.608
GND on Bottom Layer "GND_L02_P034" (solid, remove dead copper, pour order 34): -102.108,66.548 -101.6,66.04 -101.6,-2.667 -81.661,-2.667 -80.01,-4.318 -78.867,-3.175 3.429,-3.175 3.429,48.387 7.874,52.832 1.524,59.182 1.524,66.929
VCCBAT on Bottom Layer "VCCBAT_L02_P008" (solid, remove dead copper, pour order 8): -28.956,36.703 -25.654,36.703 -25.654,43.688 -28.956,43.688
VCCBAT on Bottom Layer "VCCBAT_L02_P012" (solid, remove dead copper, pour order 12): -23.114,38.608 -15.748,38.608 -15.748,36.83 -15.875,36.703 -25.908,36.703 -26.035,36.83 -26.035,41.529

## Keep-outs
Keep-Out Layer:
  the board outline again, w0.254

## Silkscreen, mask and mechanical layers (free items; w line width, h text height)
Mechanical 1:
  the board outline again, w0.254

## Dimensions
-98,61 to 0,61 on Mechanical 1
-94,65 to -94,0 on Mechanical 1

## Text inside footprints (layer, text, board x,y; h text height)
S7: Top Overlay "ON" at -53.213,4.095 h1.02 r180
U6: Top Overlay "+" at -67.115,27.986 h1.02 r45